# Altium PCB 11BRANMB10H3_20171027.pcbdoc (part 3 of 7) (continued)
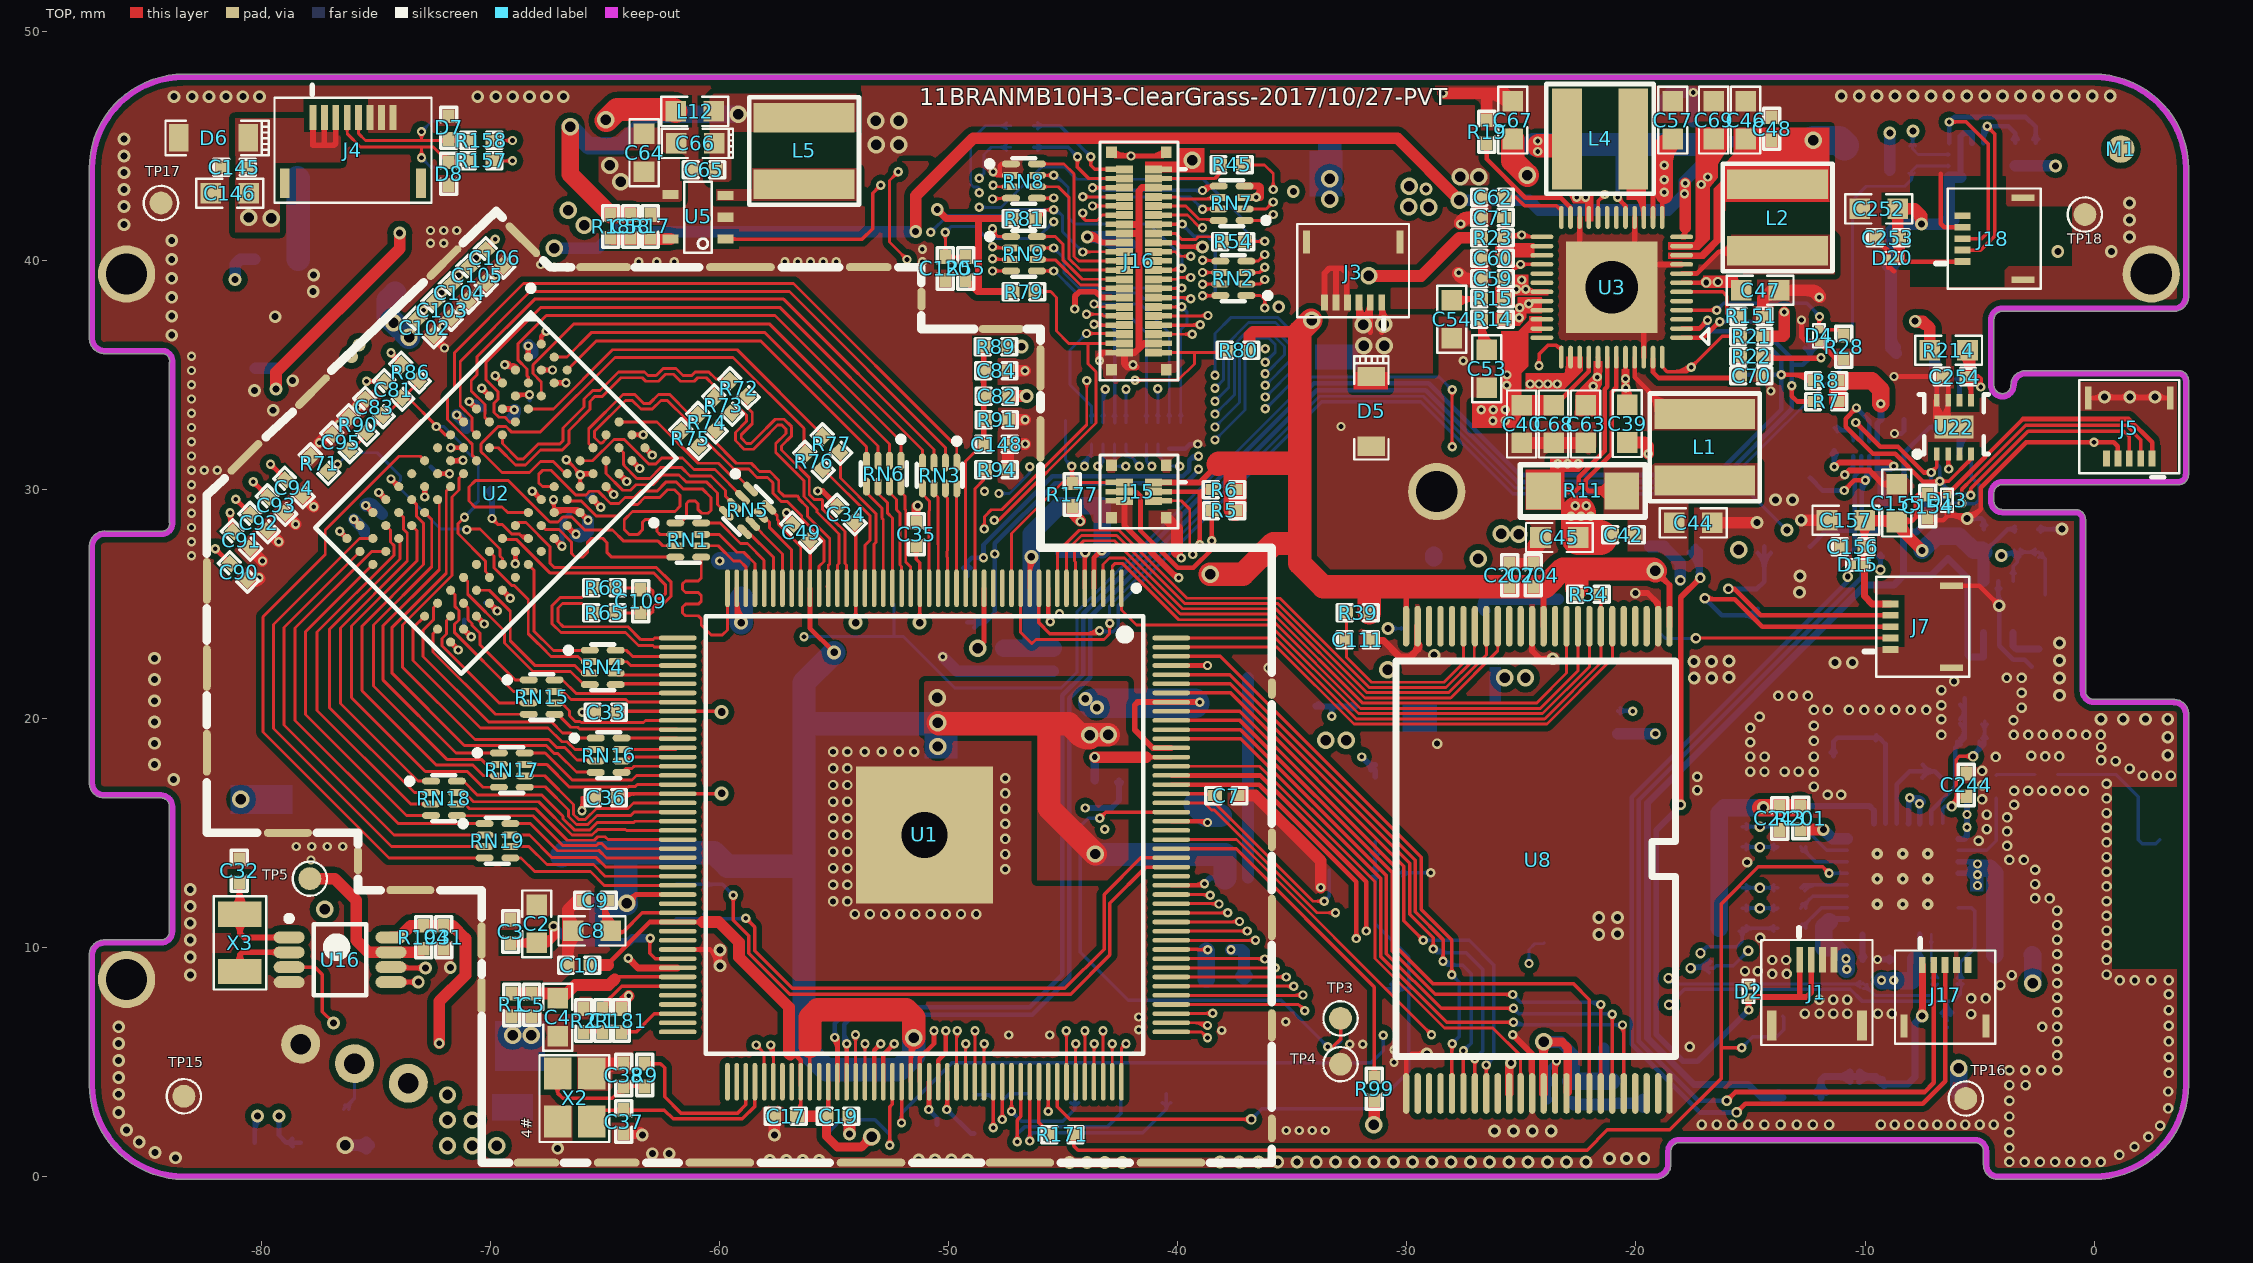
[diagram p0: TOP view]
## Nets (pads, with @x,y where several pads share a name; then routed paths per layer and width w, separated by ;. In a path a pad name is that pad's centre, name@x,y a point inside that pad or via, vN(x,y) a via of type N, cw(c..) or ccw(c..) an arc to the next point about the centre after c; other vN are vias at no path point) (continued)
  BOTTOM w0.254: C96.2@-70.112,29.922 cw(c-70.51,29.524) -69.947,29.524 ; C96.2@-69.99,30.044 -69.947,30.002 v1(-69.947,28.725) ; v1(-44.044,16.086) -42.901,16.086 -42.569,16.418 C18.1@-42.569,17.293 ; C18.1@-42.656,17.206 cw(c-42.866,16.996) -42.569,16.996 cw(c-42.272,16.996) C18.1@-42.482,17.206 ; v1(-9.456,9.474) C246.2@-8.788,9.474 ; C246.2@-8.925,9.387 ccw(c-9.135,9.177) -9.135,9.474 ccw(c-9.135,9.771) C246.2@-8.925,9.561 ; U21.9@-6.121,32.715 -5.871,32.465 U21.2@-5.871,31.54 ; U21.9@-6.035,32.451 cw(c-6.43,32.056) -5.871,32.056 ; U21.2@-5.871,31.573 cw(c-4.629,31.573) U21.9@-5.508,32.451 ; -5.871,32.186 cw(c-5.243,32.186) U21.9@-5.687,32.631
  BOTTOM w0.508: v4@-76.302,1.354 C41.1@-75.299,1.354 ; v1@-75.486,29.338 cw(c-75.329,29.083) -75.118,29.295 ; v1(-75.459,29.295) -75.118,29.295 ; v1@-75.459,29.346 cw(c-75.459,28.644) -74.963,29.14 ; C41.1@-75.437,1.215 ccw(c-75.772,0.881) -75.772,1.354 ccw(c-75.772,1.827) C41.1@-75.437,1.493 ; C87.2@-74.732,28.91 -75.118,29.295 ; v1(-71.491,33.246) -71.06,32.815 -71.06,32.68 C99.2@-71.068,32.673 ; C101.2@-69.088,33.105 -68.977,33.215 v1(-68.977,33.473) ; C101.2@-69.073,33.12 ccw(c-69.425,33.473) v1@-68.927,33.473 ; v1(-68.369,36.261) -68.169,36.061 C100.2@-68.169,36.005 ; v1@-68.336,36.299 cw(c-68.649,35.936) C100.2@-68.169,35.936 ; v1@-66.308,27.998 ccw(c-66.114,28.285) C88.2@-65.869,28.04 ; v1@-66.289,27.99 ccw(c-66.174,28.569) C88.2@-65.757,28.151 ; C88.2@-65.831,28.226 cw(c-66.279,28.671) v1(-66.279,28.04) C88.2@-65.869,28.04 ; v1(-65.757,28.644) -65.757,28.193 C88.2@-65.756,28.152 ; v1(-50.267,22.69) -49.64,22.063 C23.1@-47.6,22.063 C21.1@-46.457,22.063 C22.1@-45.441,22.063 ; v1(-37.685,9.902) -37.205,9.902 -37.113,9.81 C15.2@-37.113,8.606 ; C15.2@-37.252,8.745 ccw(c-37.586,9.079) -37.113,9.079 ccw(c-36.64,9.079) C15.2@-36.975,8.745 ; C28.1@-36.94,13.038 C30.1@-36.94,14.054 C24.1@-36.94,15.578 C25.1@-36.94,18.741 C26.1@-36.94,20.697 C27.1@-36.94,21.763 ; R35.2@-22.843,3.259 -22.724,3.14 C208.1@-21.946,3.14 C209.1@-21.057,3.14 C209.1@-21.001,3.196 ; R35.2@-22.796,3.256 ccw(c-22.515,3.537) -22.515,3.14 ; C209.1@-20.997,3.2 TP24.1@-19.9,3.2 ; TP24.1@-19.674,3.026 ccw(c-20.094,2.606) -20.094,3.2 ccw(c-20.094,3.794) TP24.1@-19.674,3.374 ; C55.2@-18.771,46.757 -18.771,47.036 -18.479,47.328 ; C55.2@-18.588,46.826 cw(c-18.144,46.993) -18.479,47.328 ; C56.2@-17.501,46.05 -17.501,47.328 -18.479,47.328 ; C88.2@-65.869,28.04 C88.2@-65.757,28.151
  BOTTOM w0.762: v1(-60.006,26.871) -59.074,26.871 C142.1@-59.046,26.843
  other v1: -35.263,2.006 -34.696,2.006 -34.128,2.006 -33.561,2.006 -30.564,4.978 -30.564,5.537 -32.494,5.766 -31.935,5.766 -47.379,6.172 -45.601,6.172 -38.082,6.375 -41.714,6.401 -35.288,6.756 -41.714,6.959 -77.85,13.817 -78.5,14.402 -77.82,14.402 -77.141,14.402 -76.462,14.402 -43.188,15.164 -45.169,24.562 -39.86,27 -83.066,27.102 -83.066,27.711 -83.066,28.334 -83.066,28.958 -83.066,29.581 -48.445,29.921 -83.066,30.204 -83.066,30.828 -82.507,30.835 -81.948,30.835 -83.066,31.451 -83.066,32.074 -83.066,32.697 -32.879,32.741 -83.066,33.321 -83.066,33.944 -14.109,34.29 -83.066,34.567 -83.066,35.191 -41.959,35.433 -27.541,35.611 -83.066,35.814 -67.223,39.699 -66.659,39.697 -67.824,39.814 -63.533,39.929 -62.758,39.929 -61.984,39.929 -57.158,39.929 -56.599,39.929 -56.04,39.929 -55.481,39.929 -54.922,39.929 -51.154,39.929 -51.154,40.487 -72.635,40.741 -72.059,40.741 -72.635,41.3 -72.059,41.3 -71.483,41.3 -36.575,42.748 -17.505,47.324
  other v2: -3.695,0.635 -3.03,0.635 -2.366,0.635 -1.701,0.635 -1.036,0.635 -0.372,0.635 0.293,0.635 1.106,0.94 -3.695,1.245 1.766,1.295 2.376,1.727 -3.695,1.93 2.884,2.21 -17.131,2.261 -16.471,2.261 -15.8,2.261 -15.095,2.261 -14.39,2.261 -13.685,2.261 -12.979,2.261 -12.274,2.261 -11.569,2.261 -9.308,2.261 -8.699,2.261 -8.064,2.261 -7.454,2.261 -6.844,2.261 -6.235,2.261 -5.625,2.261 -4.99,2.261 -4.381,2.261 -3.695,2.616 3.239,2.972 -3.695,3.302 3.239,3.708 -3.695,3.988 -2.988,3.987 3.265,4.521 -3.695,4.639 -3.001,4.639 -2.306,4.639 -1.612,4.639 3.265,5.207 -1.612,5.283 -17.652,5.664 -1.612,5.893 3.265,5.893 -2.266,6.527 -1.612,6.528 3.265,6.579 -5.367,7.086 -12.622,7.112 -11.987,7.112 -11.378,7.112 -10.768,7.112 -9.435,7.112 -8.826,7.112 -1.612,7.163 3.265,7.264 -11.996,7.721 -11.387,7.721 -10.777,7.721 -5.367,7.772 -4.732,7.772 -1.612,7.798 3.265,7.95 -4.088,8.356 -1.612,8.433 1.119,8.56 1.779,8.56 2.503,8.56 3.265,8.56 -3.593,8.788 0.547,8.814 -14.047,8.839 -13.419,8.839 -15.24,8.966 -14.681,8.966 -1.612,9.068 -14.054,9.449 -13.444,9.449 0.547,9.455 -1.612,9.703 0.547,10.096 -1.612,10.338 -14.578,10.414 0.547,10.736 -1.612,10.973 0.547,11.377 -54.101,11.455 -53.448,11.455 -52.785,11.455 -52.122,11.455 -51.459,11.455 -50.796,11.455 -50.133,11.455 -49.47,11.455 -48.807,11.455 -1.612,11.608 -55.053,12.008 -54.431,12.008 0.547,12.018 -2.577,12.141 -1.942,12.141 0.547,12.659 -55.053,12.734 -54.431,12.734 -2.577,12.763 0.547,13.3 -2.577,13.386 -47.535,13.41 -55.053,13.46 -54.431,13.46 -15.146,13.716 -3.695,13.818 -3.06,13.818 0.547,13.941 -47.535,14.073 -55.053,14.186 -54.431,14.186 -3.796,14.427 0.547,14.582 -5.041,14.656 -47.535,14.736 -55.053,14.912 -54.431,14.912 -3.796,15.062 -4.685,15.164 0.547,15.222 -47.535,15.399 -55.053,15.638 -54.431,15.638 -3.796,15.672 -4.685,15.799 0.547,15.863 -47.535,16.061 -3.492,16.231 -55.053,16.364 -54.431,16.364 -4.889,16.459 0.547,16.504 -11.632,16.662 -11.048,16.662 -47.535,16.724 -3.492,16.84 -2.882,16.84 -2.272,16.84 -1.663,16.84 -1.053,16.84 -0.444,16.84 -17.321,16.865 -12.229,17.018 -4.889,17.069 -55.053,17.09 -54.431,17.09 0.547,17.145 -47.535,17.387 -17.321,17.45 2.135,17.5 2.745,17.5 3.354,17.5 -15.01,17.678 -14.388,17.678 -13.511,17.678 -12.902,17.678 -12.229,17.678 -4.889,17.704 -55.053,17.816 -54.431,17.816 1.549,17.805 0.94,18.136 0.305,18.161 -4.291,18.313 -15.01,18.33 -14.384,18.33 -12.229,18.33 -2.132,18.339 -1.523,18.339 -2.742,18.364 -55.053,18.542 -54.431,18.542 -53.671,18.542 -52.93,18.542 -52.188,18.542 -51.51,18.542 0.305,18.745 -28.684,18.897 -15.01,18.957 -12.229,19.015 -6.666,19.279 -3.503,19.279 -2.87,19.279 -2.238,19.279 -1.605,19.279 -0.34,19.279 0.293,19.279 -0.972,19.304 -15.01,19.583 -12.229,19.68 -3.517,19.914 -6.666,19.958 -14.604,20.066 -12.229,20.371 -11.62,20.371 -10.705,20.371 -10.029,20.371 -9.354,20.371 -8.678,20.371 -8.002,20.371 -7.327,20.371 -3.161,20.472 -6.667,20.574 -13.791,20.98 -13.156,20.98 -12.495,20.98 -3.161,21.12 -6.667,21.234 -6.108,21.615 -3.809,21.768 -3.161,21.768 -36.041,22.199
  other v3: -44.737,0.609 -43.967,0.609 -43.196,0.609 -42.426,0.609 -38.158,0.635 -37.318,0.635 -36.477,0.635 -35.637,0.635 -34.796,0.635 -33.955,0.635 -33.115,0.635 -32.274,0.635 -31.433,0.635 -30.593,0.635 -29.752,0.635 -28.912,0.635 -28.071,0.635 -27.23,0.635 -26.39,0.635 -25.549,0.635 -24.709,0.635 -23.868,0.635 -23.027,0.635 -22.187,0.635 -57.818,0.704 -57.099,0.704 -56.379,0.704 -55.659,0.704 -51.316,0.711 -50.604,0.711 -49.893,0.711 -49.182,0.711 -21.157,0.787 -20.408,0.787 -19.658,0.787 -83.762,0.812 -62.949,0.99 -62.212,0.99 -84.666,1.041 -67.078,1.226 -85.352,1.498 -26.174,1.981 -25.35,1.981 -24.527,1.981 -23.703,1.981 -85.91,2.032 -86.245,2.794 -86.245,3.588 -86.245,4.325 -86.245,5.061 -86.245,5.798 -86.245,6.534 -83.121,8.788 -71.767,9.119 -59.993,9.195 -83.121,9.582 -59.993,9.88 -83.121,10.319 -21.623,10.566 -20.81,10.592 -83.121,11.056 -21.623,11.303 -20.81,11.303 -83.121,11.792 -83.121,12.529 -83.846,17.325 -84.684,17.981 3.218,18.389 -84.684,18.909 3.218,19.177 -84.684,19.837 0.297,19.964 1.271,19.964 2.245,19.964 3.218,19.964 -84.684,20.765 -1.506,21.006 -84.684,21.694 -17.457,21.768 -16.695,21.768 -1.506,21.768 -15.938,21.793 -11.315,22.428 -10.553,22.428 -17.462,22.479 -16.7,22.479 -15.938,22.504 -1.506,22.53 -84.684,22.622 -28.811,22.758 -1.506,23.292 -12.864,25.502 -12.839,26.213 -14.718,28.545 -13.906,29.54 -13.169,29.54 -79.501,33.452 2.667,34.036 -80.313,34.315 -78.65,34.741 -83.929,36.728 -79.412,37.535 -83.929,37.556 -83.929,38.384 -77.755,38.63 -83.929,39.212 -77.73,39.357 -83.929,40.04 -1.582,40.386 0.754,40.386 -83.929,40.868 1.542,41.021 -86.017,41.554 1.542,41.757 -86.017,42.348 1.542,42.494 -86.017,43.085 -86.017,43.822 -86.017,44.558 -86.017,45.295 -83.832,47.143 -83.038,47.143 -82.301,47.143 -81.565,47.143 -80.828,47.143 -80.091,47.143 -70.573,47.143 -69.779,47.143 -69.042,47.143 -68.306,47.143 -67.569,47.143 -66.833,47.143 -11.035,47.168 -10.253,47.168 -9.47,47.168 -8.688,47.168 -7.905,47.168 -7.122,47.168 -6.34,47.168 -5.557,47.168 -4.775,47.168 -3.992,47.168 -3.209,47.168 -2.427,47.168 -1.644,47.168 -0.862,47.168 -0.079,47.168 0.704,47.168
  other v4: -76.353,1.354
  other v6: -9.457,11.887 -8.357,11.887 -7.257,11.887 -9.457,12.987 -8.357,12.987 -7.257,12.987 -9.457,14.087 -8.357,14.087 -7.257,14.087
HPBP: C8.2 C9.2 U1.75 | length 11.5
  TOP w0.152: -65.065,11.195 ccw(c-64.365,11.195) C8.2@-64.809,10.654 ; -65.065,11.439 cw(c-64.353,11.439) C9.2@-64.856,11.942 ; -65.065,11.517 ccw(c-64.1,11.517) C8.2@-64.712,10.772 ; -65.065,11.806 cw(c-64.721,11.806) C9.2@-64.964,12.05 ; C9.2@-65.065,11.84 ccw(c-63.835,11.84) C8.2@-64.615,10.89 ; -65.03,11.668 cw(c-64.82,11.71) C9.2@-64.908,11.906 ; -64.934,11.673 cw(c-64.747,11.723) C9.2@-64.817,11.903 ; C8.2@-64.519,11.007 cw(c-63.571,12.162) -65.065,12.162 -65.065,12.065 -65.065,10.765 -65.04,10.765 -64.913,10.638 -64.756,10.638 -64.278,10.638 ; C8.2@-64.425,10.544 cw(c-64.228,10.44) -64.228,10.664 ; C8.2@-64.422,10.55 cw(c-64.278,10.477) -64.278,10.638 ; C8.2@-64.411,10.575 cw(c-64.278,10.52) -64.278,10.664 ; C8.2@-64.39,10.795 ccw(c-64.228,10.83) -64.228,10.664 ; C8.2@-64.384,10.759 ccw(c-64.278,10.77) -64.278,10.664 ; C8.2@-64.383,10.737 ccw(c-64.278,10.742) -64.278,10.638 ; U1.75@-61.84,11.508 -63.389,11.508 -64.228,10.664 ; -64.278,10.638 -64.278,10.664 ; -64.278,10.664 -64.228,10.664
HPVCC: C10.2 C15.1 C16.2 C17.2 C18.2 C19.2 C121.2 C122.2 C123.2 C152.2 C154.2 C155.2 C156.1 C157.1 C204.2 C207.2 C208.2 C209.2 C235.1 C240.2 C241.1 C252.2 C253.2 D13.1 D15.1 D20.1 J5.1 J7.5 J15.1 J16.1 J18.1 L12.1 R3.1 R4.1 R5.1 R6.1 R7.1 R8.1 R23.2 R32.1 R34.1 R39.1 R55.2 R79.1 R80.1 R81.1 R99.2 R129.1 R130.1 R131.1 R177.2 R199.1 R213.1 R214.1 TP12.1 TP23.1 U1.5 U1.76 U1.97 U1.100 U1.142 U1.163 U8.1 U8.12 U8.24 U8.34 U8.37 U8.39 U10.2 U10.3 U10.9 U10.10 U19.1 U20.8 | length 361.1
  TOP w0.152: C17.2@-56.698,2.747 ccw(c-57.26,3.31) U1.97@-56.465,3.31 ; C17.2@-56.59,2.639 ccw(c-56.892,2.942) -56.465,2.942 ; U1.97@-56.485,3.396 cw(c-56.61,3.324) -56.471,3.287 ; C17.2@-56.465,2.624 U1.97@-56.465,3.958 ; U1.142@-40.29,9.908 -39.139,9.908 -39.132,9.902 v1(-38.701,9.902) ; v1@-38.79,9.812 ccw(c-39.007,9.595) -39.007,9.902 ccw(c-39.007,10.208) v1@-38.79,9.991
  TOP w0.203: -64.872,9.295 -63.059,11.108 U1.76@-61.84,11.108 -60.743,11.108 ; -56.97,5.572 -56.465,5.066 U1.97@-56.465,4.133 U1.97@-56.465,3.958 ; C19.2@-55.394,2.729 ccw(c-55.706,3.041) -55.265,3.041 ; C19.2@-55.265,2.699 U1.100@-55.265,4.133 ; -55.265,2.924 ccw(c-54.989,2.924) C19.2@-55.184,2.729 ; v2@-44.134,27.172 cw(c-44.3,27.006) -44.065,27.006 ; U1.5@-44.065,25.683 v2@-44.065,27.241 ; -44.065,26.905 cw(c-43.687,26.905) v2@-43.954,27.172 ; -41.378,18.308 U1.163@-40.29,18.308 ; J16.1@-41.065,43.97 J16.1@-40.475,43.97 ; C155.2@-8.8,28.626 -7.937,28.626 ; D20.1@-8.626,40.081 ccw(c-8.291,40.417) -8.291,39.942 ; -8.5,40.127 -8.5,39.942 J18.1@-5.752,39.942 ; C155.2@-8.353,28.81 ccw(c-7.937,29.189) -7.937,28.626 ; C155.2@-8.305,28.408 cw(c-7.937,28.206) -7.937,28.626 ; v3@-7.556,27.381 v3@-7.53,27.356 ; C154.2@-7.369,29.664 ccw(c-7.623,29.41) -7.623,29.769 ccw(c-7.623,30.127) C154.2@-7.369,29.874 ; C154.2@-7.29,29.78 D13.1@-6.426,29.78 -6.393,29.78 -3.102,33.071 1.516,33.071 2.538,32.049 J5.1@2.538,31.339 ; C154.2@-7.264,29.769 -7.667,29.769 -7.772,29.663 -7.772,28.79 -7.937,28.626 ; C154.2@-7.159,29.664 cw(c-6.879,29.384) -6.879,29.78 ; C154.2@-7.159,29.874 ccw(c-6.932,30.101) -6.932,29.78 ; D13.1@-6.478,29.728 ccw(c-6.604,29.602) -6.604,29.78 ccw(c-6.604,29.957) D13.1@-6.478,29.832 ; D13.1@-6.426,29.853 ccw(c-6.426,30.11) -6.244,29.929
  TOP w0.254: J15.1@-41.065,30.3 J15.1@-40.475,30.3 -39.048,30.3 -38.251,31.097 ; U8.24@-30.033,24.024 -30.033,25.4 ; C204.2@-24.486,25.573 cw(c-24.486,25.155) -24.191,25.451 ; C204.2@-24.419,25.679 -24.033,25.293 U8.12@-24.033,24.024 ; v4@-19.152,26.183 cw(c-19.152,25.57) -18.718,26.003 cw(c-18.285,26.437) v4@-18.898,26.437 ; v4(-19.152,26.437) -18.533,25.818 U8.1@-18.533,24.024
  TOP w0.305: v3@-50.507,42.088 cw(c-50.507,41.781) -50.29,41.998 cw(c-50.073,42.215) v3@-50.38,42.215 ; v3(-50.507,42.215) -50.126,41.834 -48.699,41.834 ; R55.2@-49.262,38.995 cw(c-49.262,38.639) -49.01,38.891 ; R55.2@-49.262,39.143 -48.753,38.633 R79.1@-47.222,38.633 ; -48.699,38.687 -48.699,41.834 ; -47.569,41.834 cw(c-47.569,41.511) R81.1@-47.341,41.739 ; R81.1@-47.222,41.808 -47.248,41.834 -48.699,41.834 ; C157.1@-10.217,28.441 cw(c-10.666,27.992) -10.031,27.992 ; -10.031,27.874 cw(c-9.229,27.874) C157.1@-9.796,28.441 ; C157.1@-10.031,28.627 -10.031,25.336 -9.696,25 J7.5@-8.88,25
  TOP w0.381: C19.2@-55.339,2.624 -55.339,1.756 -54.864,1.281 -53.819,1.281 v4(-53.373,1.727) ; v4@-53.563,1.727 cw(c-54.023,1.727) -53.698,1.402 cw(c-53.373,1.077) v4@-53.373,1.536 ; U8.34@-25.533,3.624 -25.533,4.883 v8(-25.463,4.953) ; -25.533,4.63 cw(c-25.139,4.63) v8@-25.418,4.908 ; v4@-24.168,5.736 cw(c-24.493,5.411) -24.033,5.411 cw(c-23.573,5.411) -23.898,5.736 cw(c-23.573,5.411) -23.573,5.871 cw(c-23.573,6.331) v4@-23.898,6.006 ; U8.37@-24.033,3.624 v4(-24.033,5.871) -23.227,5.871 -22.975,5.619 U8.39@-22.975,3.682
  TOP w0.508: C10.2@-65.642,9.228 -64.872,9.228 ; -60.743,11.108 -60.044,11.108 -59.164,10.228 -59.164,9.571 -56.98,7.387 -56.98,5.664 ; -56.97,5.572 -56.97,5.655 -56.98,5.664 ; -56.928,5.313 -56.98,5.366 -56.98,5.664 ; C17.2@-56.625,2.624 -56.465,2.624 C19.2@-55.339,2.624 ; R177.2@-44.618,29.219 ccw(c-44.07,29.219) -44.458,28.831 ; R177.2@-44.614,29.269 -44.614,28.988 v1@-44.258,28.632 ; v2(-43.628,18.309) -41.378,18.309 ; R80.1@-36.875,36.061 -36.875,36.721 -36.714,36.881 -34.682,36.881 ; v4@-31.552,39.313 -29.374,39.313 -27.708,40.978 R23.2@-26.764,40.978 ; v4(-31.446,2.256) -31.42,2.282 R99.2@-31.42,3.331 ; C204.2@-24.601,25.496 C204.2@-24.419,25.679 ; C157.1@-9.957,28.626 -8.8,28.626 v3@-7.556,27.381 ; C157.1@-9.868,28.79 ccw(c-9.472,29.186) -9.472,28.626 ; -9.206,28.626 cw(c-9.206,27.979) C155.2@-8.749,28.436 ; C252.2@-8.713,42.103 cw(c-9.048,41.768) -8.574,41.768 cw(c-8.101,41.768) -8.436,42.103 cw(c-8.101,41.768) -8.101,42.241 cw(c-8.101,42.715) C252.2@-8.436,42.38 ; -8.5,40.127 C253.2@-8.5,40.989 -8.574,41.064 C252.2@-8.574,42.241 -7.824,42.241 ; C155.2@-8.415,28.575 ccw(c-7.606,28.575) -8.178,28.003 ; v3@-7.81,37.313 cw(c-7.81,36.426) -7.182,37.053 ; v3(-7.81,37.338) -7.468,37.338 -7.175,37.046 R214.1@-7.175,36.068 ; v3@-7.556,41.58 ccw(c-8.473,41.592) -7.824,42.241 ; v3@-7.53,27.356 v3(-7.505,27.33) ; v3(-7.53,41.58) -7.53,41.947 -7.824,42.241 ; R214.1@-7.314,36.207 ccw(c-7.649,36.541) -7.175,36.541 ccw(c-6.702,36.541) R214.1@-7.037,36.207
  TOP w0.762: R7.1@-11.196,33.833 R8.1@-11.196,34.747 -9.715,34.747 -9.308,34.341 v1(-9.308,33.731)
  TOP w1.016: v4@-64.96,46.101 -64.478,46.583 -62.006,46.583 L12.1@-61.924,46.501 ; v4(-38.594,26.289) -37.172,26.289 -35.826,27.635 -34.682,27.635 ; -38.251,31.097 -38.215,31.134 -37.502,31.134 ; R5.1@-37.51,29.127 -37.51,31.126 -37.502,31.134 ; v4@-34.188,37.376 -34.682,36.881 -34.682,31.134 ; R39.1@-31.647,24.608 -31.647,25.746 ; -22.584,25.698 -22.584,26.1 ; v4(-19.152,26.437) -19.24,26.525 -23.191,26.525 -23.97,25.746 C204.2@-24.486,25.746 C207.2@-25.502,25.746 -31.647,25.746 ; -37.502,31.134 -34.682,31.134 ; -34.682,27.635 -34.682,31.134 ; -34.682,27.635 -34.682,26.772 -33.657,25.746 -31.647,25.746
  Singal w0.508: v2(-44.044,27.262) -44.044,22.135 -44.704,21.474 -44.704,18.781 -44.233,18.309 v2(-43.628,18.309)
  Singal w0.762: v4(-15.506,27.356) v3@-7.53,27.356
  Singal w1.016: v4@-64.96,46.126 -63.08,46.126 -59.295,42.342 v3@-50.634,42.342 ; v3(-50.507,42.215) -50.507,43.529 -48.519,45.517 -39.378,45.517 ; v4@-39.378,44.378 -39.378,45.517 ; v4@-34.098,37.389 -33.26,37.389 -31.711,38.938 -31.711,44.069 -33.159,45.517 -39.378,45.517
  POWER w0.508: v3(-8.919,45.559) -8.919,42.968 v3(-7.53,41.58)
  POWER w0.762: -9.588,33.731 v1(-9.308,33.731) -7.86,33.731 ; -7.81,41.151 cw(c-7.101,41.151) v3@-7.602,41.652 ; v3@-7.81,41.58 v3(-7.81,37.338) -7.81,27.635 v3(-7.505,27.33) ; v3(-7.53,41.58) v3@-7.53,41.605
  POWER w1.016: v4(-53.373,1.727) -53.373,2.565 -52.044,3.894 -44.946,3.894 -43.312,2.261 -38.24,2.261 -37.173,3.327 ; v1@-44.233,28.441 -44.233,26.746 -42.734,25.247 -39.636,25.247 v4(-38.594,26.289) ; v1(-38.701,9.902) -38.701,9.149 -37.121,7.569 -37.121,3.38 -37.173,3.327 ; v4(-24.033,5.871) v4@-24.033,6.027 ; v4(-15.506,27.356) -18.376,27.356 -19.152,26.58 v4(-19.152,26.437) v2(-19.152,19.325) -19.152,10.624 -21.013,8.763 -23.042,8.763 -24.033,7.772 v4@-24.033,6.027 ; -37.173,3.327 -33.47,3.327 -32.422,2.279 -27.781,2.279 v4@-24.033,6.027
  BOTTOM w0.203: C235.1@-4.814,27.262 -4.767,27.262 -3.767,28.262 R199.1@-3.454,28.262 ; C235.1@-4.814,27.461 ccw(c-4.814,28.053) -4.395,27.634 ; R199.1@-3.458,28.157 ccw(c-3.711,27.904) -3.711,28.262 ccw(c-3.711,28.621) R199.1@-3.458,28.367
  BOTTOM w0.254: U20.8@-9.469,32.11 -9.469,32.877 C241.1@-9.3,33.045 ; U10.9@-5.824,43.619 U10.2@-5.824,45.119 -5.824,45.415 -5.688,45.551 -5.383,45.551 -5.324,45.491 U10.3@-5.324,45.119
  BOTTOM w0.305: v1(-9.308,33.731) -9.3,33.723 C241.1@-9.3,33.045
  BOTTOM w0.381: C18.2@-43.629,17.293 -43.628,17.294 v2(-43.628,18.309)
  BOTTOM w0.508: C16.2@-45.122,27.265 -44.047,27.265 v2(-44.044,27.262) ; v4(-24.033,5.871) -23.288,5.871 -22.708,5.291 -22.708,4.283 R32.1@-22.843,4.148 ; -21.4,4.197 TP23.1@-21.4,5.6 ; R131.1@-20.803,19.333 -19.16,19.333 v2(-19.152,19.325) ; R129.1@-8.919,43.942 R130.1@-8.919,44.852 v3(-8.919,45.559) ; TP12.1@-8.9,40 TP12.1@-8.866,39.966 ; -8.866,36.637 ccw(c-8.258,36.637) R213.1@-8.688,36.207 ; -8.858,39.489 -8.866,39.497 ; R213.1@-8.636,35.941 -8.866,36.171 -8.866,39.497 ; -6.796,41.58 ccw(c-6.796,42.125) C152.2@-6.411,41.739 ; -6.324,42.198 ccw(c-5.675,42.198) C152.2@-6.134,41.739 ; U10.9@-5.824,43.619 U10.10@-6.324,43.619 -6.324,41.652 C152.2@-6.272,41.601 -6.293,41.58 v3(-7.53,41.58) -8.572,41.58 -8.866,41.285 TP12.1@-8.866,39.966 ; U19.1@-4.829,25.992 -4.829,27.247 C235.1@-4.814,27.262 ; R3.1@-3.44,44.123 R4.1@-2.551,44.123 v3@-1.743,44.123 ; -8.866,39.496 ccw(c-9.214,39.496) -9.03,39.791 cw(c-9.214,39.496) -8.866,39.496 ; -8.866,39.496 cw(c-8.407,39.496) -8.728,39.824 ccw(c-8.407,39.496) -8.866,39.496 ; -8.866,39.497 TP12.1@-8.866,39.966
  BOTTOM w0.762: C15.1@-38.764,8.606 v1@-38.764,9.838 ; R32.1@-22.843,4.148 C209.2@-21.065,4.148 ; v3(-7.505,27.33) -6.878,27.957 -5.885,27.957 -5.258,27.33 -4.882,27.33 C235.1@-4.814,27.262
  other v1: -44.258,28.594
  other v3: -1.688,44.12
  other v4: -34.149,37.389 -31.66,39.319 -39.382,44.374 -64.974,46.134
IPSOUT: C39.1 C40.2 C47.1 C50.1 C57.1 C64.1 C67.1 C68.1 D18.2 L19.2 TP13.1 U3.7 U3.13 U3.14 U3.21 U3.34 U3.35 U3.40 U3.44 U4.4 U5.4 | length 91.7
  TOP w0.203: v1@-25.712,34.609 ccw(c-25.912,34.809) v1@-25.629,34.809 ; v1@-25.702,34.457 cw(c-25.813,34.31) -25.629,34.31 ; v1@-25.701,34.923 cw(c-25.874,34.749) -25.629,34.749 cw(c-25.384,34.749) v1@-25.557,34.923 ; v1@-25.701,35.066 ccw(c-25.874,35.24) -25.629,35.24 ccw(c-25.384,35.24) v1@-25.557,35.066 ; -25.629,34.319 cw(c-25.421,34.319) v1@-25.568,34.466 ; -25.629,34.756 ccw(c-25.421,34.756) v1@-25.568,34.609 ; v1@-25.538,34.537 ccw(c-24.772,34.537) C40.2@-25.314,33.995 ; C40.2@-25.342,33.676 ccw(c-26.184,33.676) -25.589,34.27 ccw(c-24.994,34.865) C40.2@-24.994,34.024 ; C40.2@-24.994,33.676 -25.629,34.311 ; U3.35@-24.107,37.019 -24.768,37.019 -24.768,37.013 -25.629,36.152 v1(-25.629,34.995) -25.629,34.311 ; C68.1@-23.597,33.676 -23.524,33.676 -22.057,35.142 U3.40@-22.057,35.769 ; C39.1@-20.629,33.939 ccw(c-21.044,34.355) v1@-20.457,34.355 ; v1@-20.531,34.373 cw(c-20.757,34.243) -20.505,34.176 ; v1@-20.529,34.759 cw(c-20.702,34.586) -20.457,34.586 cw(c-20.212,34.586) v1@-20.385,34.759 ; v1@-20.529,34.903 ccw(c-20.702,35.076) -20.457,35.076 ccw(c-20.212,35.076) v1@-20.385,34.903 ; v1@-20.518,34.493 ccw(c-20.652,34.614) v1@-20.477,34.661 ; v1@-20.515,34.352 cw(c-20.655,34.213) -20.457,34.213 ; v1@-20.515,34.496 ccw(c-20.655,34.636) v1@-20.457,34.636 ; v1@-20.502,34.507 ccw(c-20.635,34.696) v1@-20.404,34.696 ; -20.499,34.197 cw(c-20.277,34.137) v1@-20.392,34.336 ; v1@-20.469,34.326 cw(c-20.548,34.022) -20.277,34.181 ; -20.457,34.145 cw(c-20.164,34.145) v1@-20.371,34.352 ; v1@-20.457,34.223 ccw(c-19.852,34.223) C39.1@-20.28,33.796 ; v1@-20.457,34.703 ccw(c-20.164,34.703) v1@-20.371,34.496 ; v1@-20.457,34.714 ccw(c-19.362,34.714) C39.1@-20.136,33.939 ; U3.44@-20.457,35.769 v1(-20.457,34.831) -20.457,33.838 C39.1@-20.295,33.676 ; C39.1@-20.405,34.031 cw(c-19.983,34.144) v1@-20.356,34.371 ; v1@-20.404,34.516 cw(c-20.067,34.606) v1@-20.369,34.78 ; U3.14@-19.257,41.869 -19.257,42.905 -19.066,43.096 ; v1@-18.869,42.944 ccw(c-19.066,42.893) -19.066,43.096 ; U3.13@-18.857,41.869 -18.857,43.096 -19.066,43.096 ; -18.857,42.516 cw(c-18.318,42.516) v1@-18.699,42.897 ; U3.7@-18.007,39.019 -16.949,39.019 v2(-16.933,39.035) v2@-16.917,39.051 ; -17.279,39.019 ccw(c-17.279,39.382) v2@-17.023,39.125 ; -17.2,39.019 cw(c-17.2,38.768) v2@-17.023,38.946
  TOP w0.508: v1@-26.798,33.452 ccw(c-26.55,33.595) -26.624,33.318 ; -26.469,33.358 ccw(c-26.431,33.721) v1@-26.201,33.438 ; -26.468,33.358 cw(c-26.468,32.239) v1@-25.676,33.03 ; v1@-26.296,33.001 cw(c-25.891,32.95) -25.891,33.358 -26.772,33.358 cw(c-26.772,32.708) v1@-26.201,33.019 ; v1@-26.282,33.463 ccw(c-25.984,33.551) -26.132,33.278 ; v1@-26.248,33.071 ccw(c-26.655,33.348) v1@-26.185,33.492 ; v1@-25.762,33.007 cw(c-25.32,32.894) C40.2@-25.32,33.35 ; v1@-25.748,33.441 ccw(c-25.528,33.661) -25.528,33.35 ; v1@-25.722,33.059 ccw(c-26.068,33.326) v1@-25.666,33.497 ; v1@-25.719,33.427 ccw(c-25.611,34.292) C40.2@-24.994,33.676 C40.2@-25.32,33.35 ; C40.2@-25.165,33.771 cw(c-25.883,34.172) -25.883,33.35 C40.2@-25.32,33.35 ; v2@-16.933,39.051 -16.917,39.051 v2(-16.425,39.051) -15.764,39.051 C47.1@-15.406,38.692 ; v1@-26.269,33.441 ccw(c-26.049,33.661) -26.049,33.35 cw(c-26.049,33.661) v1@-26.269,33.441
  TOP w0.762: v1@-18.771,42.842 v1(-18.771,42.969) v1(-18.771,43.518) v1(-18.771,44.153) C57.1@-18.771,45.106 ; v1@-18.771,44.21 cw(c-17.304,44.21) C57.1@-18.341,45.248
  TOP w0.889: C40.2@-24.994,33.676 C68.1@-23.597,33.676
  TOP w1.016: C67.1@-25.375,45.297 -25.375,44.344 v4(-24.74,43.709)
  POWER w1.016: v4@-26.798,43.768 ccw(c-27.141,43.139) -27.647,43.645 v4@-27.636,43.656 ; v4@-26.796,43.766 ccw(c-27.144,43.165) v4@-27.636,43.656 ; v1@-22.505,42.756 -23.405,43.656 v4(-26.859,43.656) v4@-27.636,43.656
  POWER w2.032: -76.11,36.239 -76.11,42.157 -75.246,43.021 -68.502,43.021 -67.384,44.139 v4(-64.807,44.139) -55.409,44.139 -53.98,45.568 -53.174,45.568 -52.056,45.568 ; -26.504,34.014 -26.504,33.477 -26.504,31.14 -25.336,29.972 -25.336,28.041 -25.336,21.742
  BOTTOM w0.762: L19.2@-28.828,27 L19.2@-28.828,27.114
  other v1: -26.246,32.994 -25.712,32.994 -26.754,33.477 -26.233,33.477 -25.712,33.477 -20.443,34.424 -25.64,34.537 -22.581,42.756 -22.2,42.756
  other v4: -25.738,21.768 -24.823,21.768 -25.119,28.041 -25.881,28.067 -64.335,43.431 -27.672,43.656 -53.174,45.034 -52.183,45.034 -53.199,46.101 -52.183,46.101
  other v7: -76.081,35.788 -75.75,36.296
JTAG_CLK: TP89.1 U1.113 | length 3.4
  TOP w0.203: v1@-50.159,2.993 ccw(c-50.387,3.22) -50.065,3.22 ; v1@-50.065,2.943 U1.113@-50.065,4.133
  BOTTOM w0.203: v1@-50.087,2.819 cw(c-50.087,2.574) -49.914,2.747 cw(c-49.741,2.921) v1@-49.986,2.921 ; v1(-50.087,2.921) -49.044,1.877 TP89.1@-48.9,1.877
JTAG_DO: TP85.1 U1.111 | length 2.8
  TOP w0.203: v1@-50.947,2.993 ccw(c-51.144,3.19) -50.865,3.19 ; v1@-50.865,2.931 U1.111@-50.865,4.133 ; -50.865,3.142 ccw(c-50.653,3.142) v1@-50.803,2.993
  BOTTOM w0.203: v1@-50.875,2.819 cw(c-50.875,2.574) -50.701,2.747 cw(c-50.528,2.921) v1@-50.773,2.921 ; v1(-50.875,2.921) -50.519,2.565 -50.519,2.258